# Altium PCB TCM.PcbDoc (part 7 of 10) (continued)
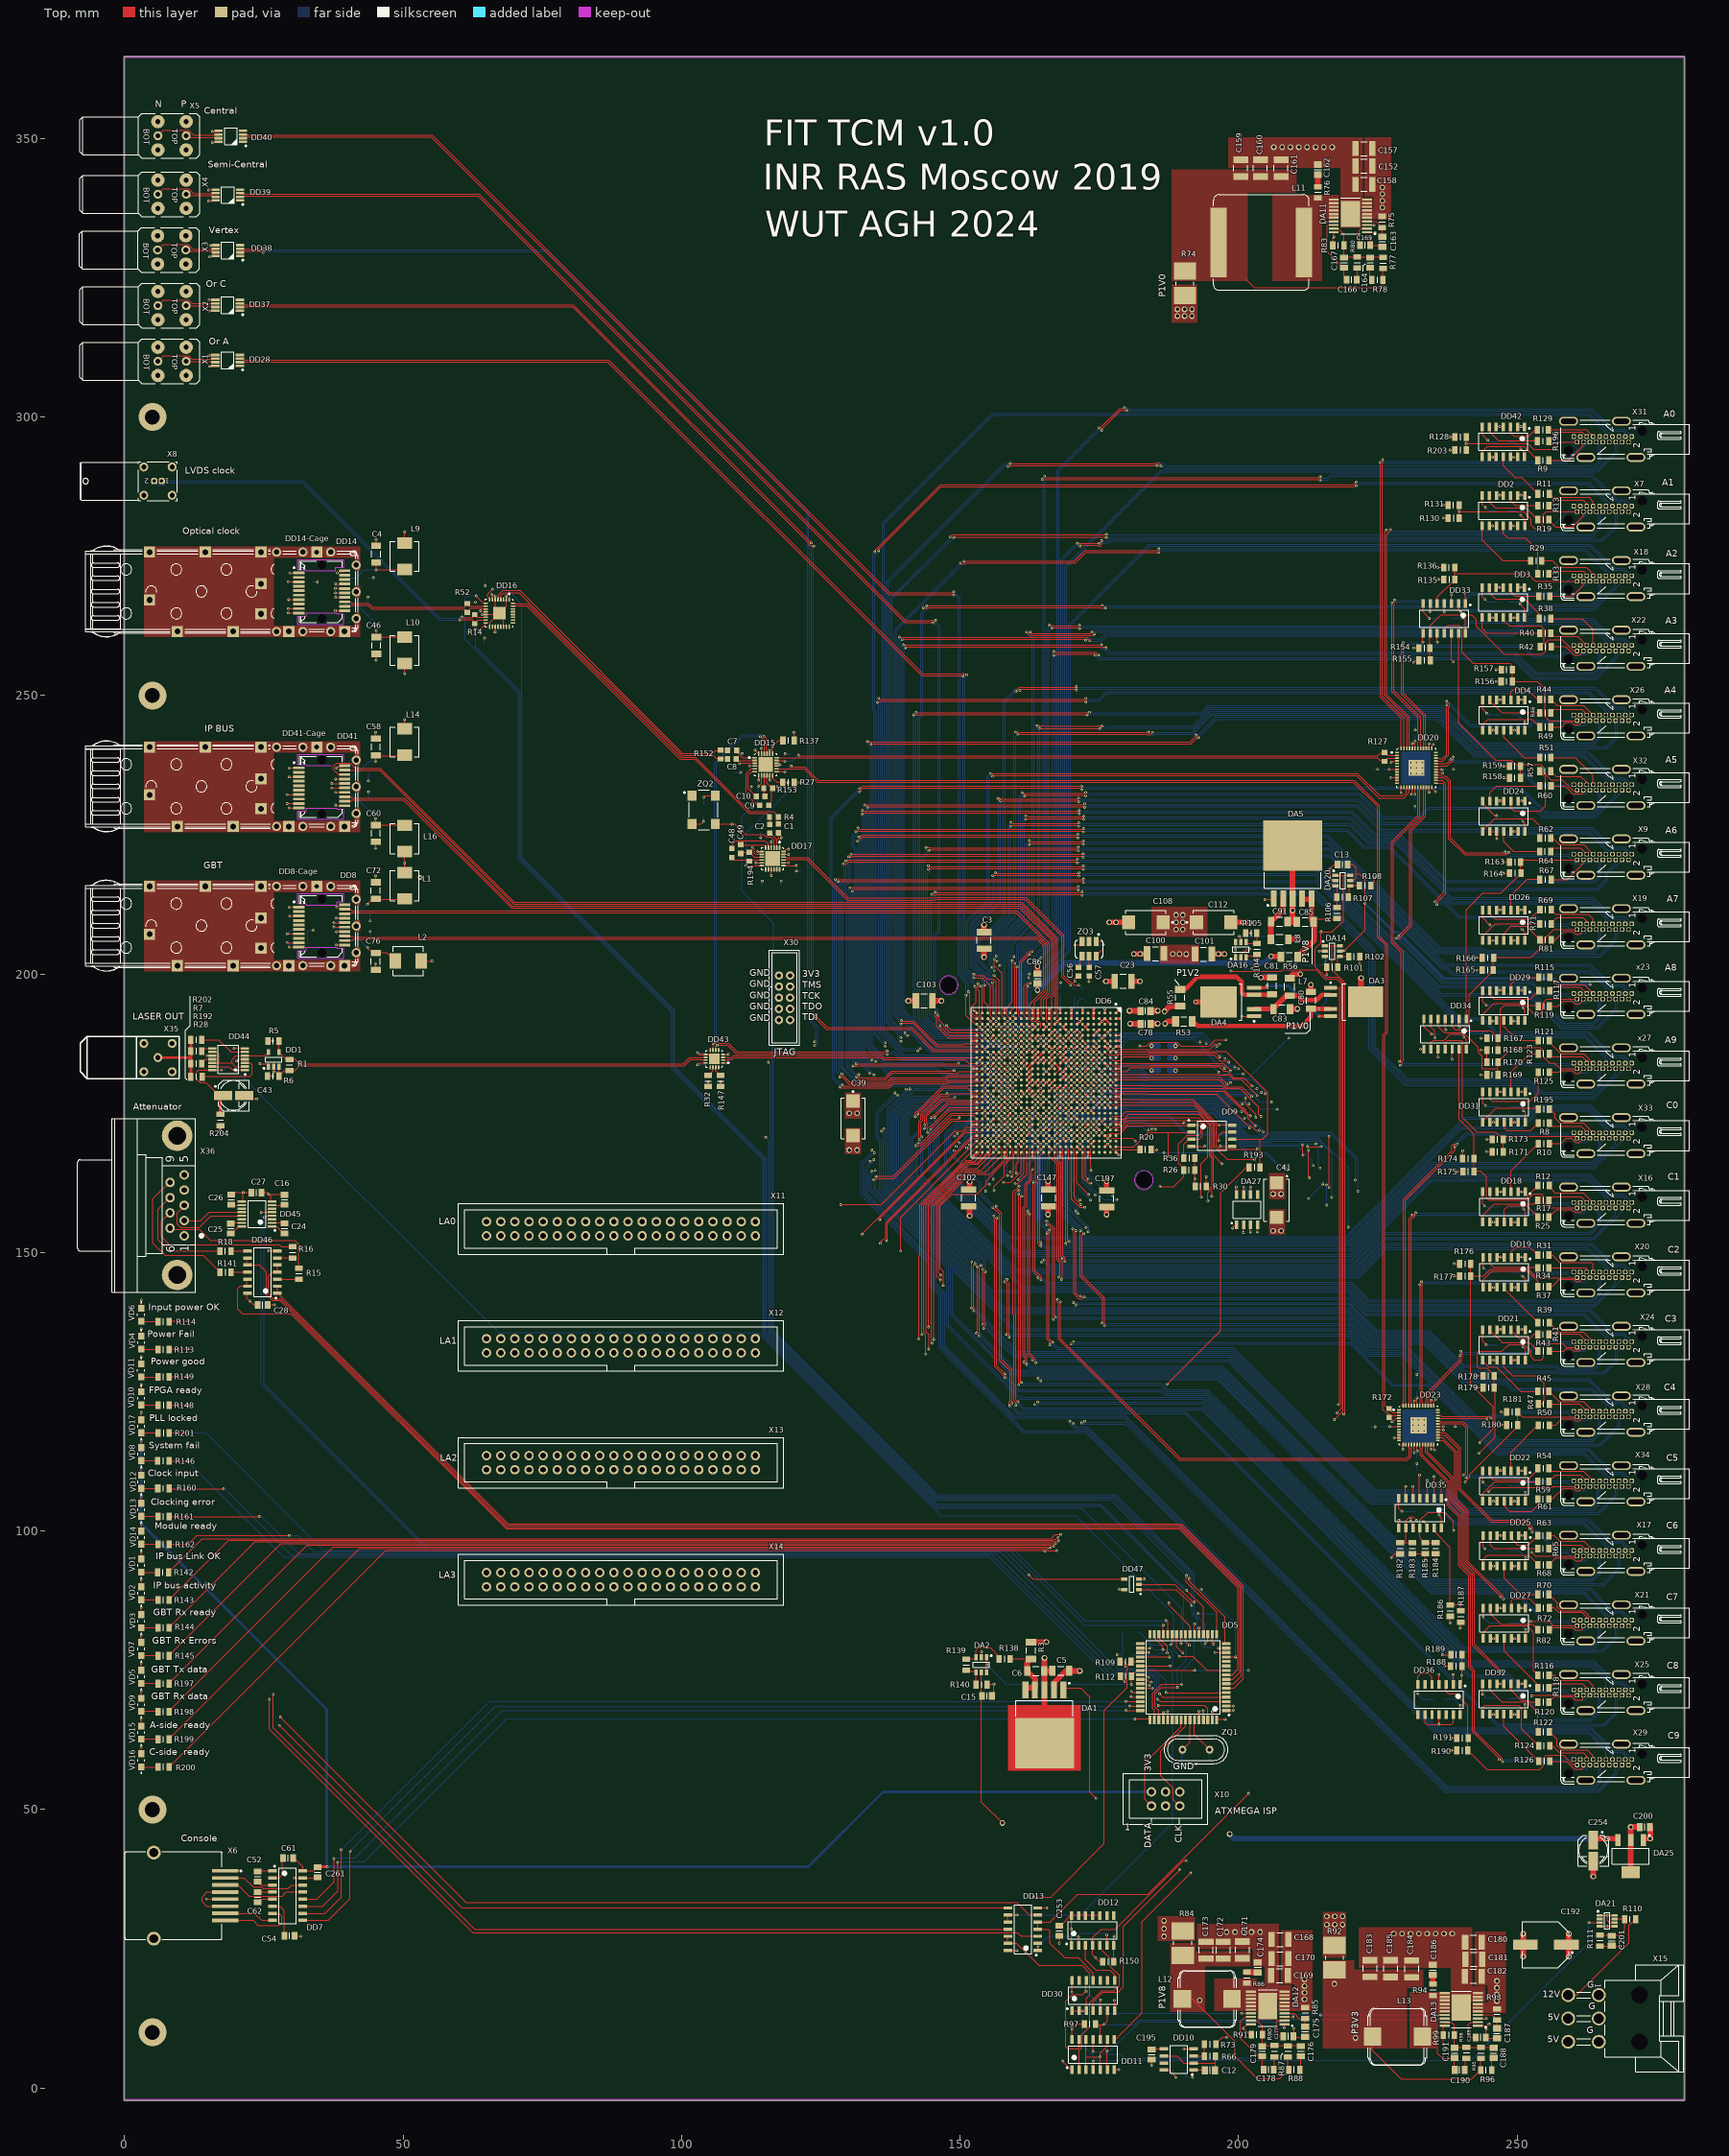
[diagram p0: Top view]
## Nets (pads, with @x,y where several pads share a name; then routed paths per layer and width w, separated by ;. In a path a pad name is that pad's centre, name@x,y a point inside that pad or via, vN(x,y) a via of type N, cw(c..) or ccw(c..) an arc to the next point about the centre after c; other vN are vias at no path point) (continued)
  Top w0.15: R144.1@8,82.65 23.4,98.05 166.83,98.05 166.995,98.215 167.672,98.215 v1(167.689,98.197)
  L3 w0.1: 172.605,165.5 172.605,167.364 172.895,167.654 172.895,170.664 ; 172.895,170.664 172.895,171.895 v1(173.5,172.5)
  L3 w0.15: v1(167.689,98.197) 167.989,98.197 183.437,113.645 183.437,153.517 172.605,164.349 172.605,165.5
LED3: DD6.F23 R145.1 | length 255.9
  Top w0.1: DD6.F23@173,171 v1(173.5,171.5)
  Top w0.15: R145.1@8,77.65 28.1,97.75 v1(167.187,97.75)
  L3 w0.15: v1(167.187,97.75) 167.205,97.732 167.949,97.732 183.737,113.521 183.737,153.864 178.122,159.478 v1@178.122,159.488
  Bot w0.1: 172.278,165.5 172.278,169.556 172.92,170.198 172.92,170.92 v1(173.5,171.5)
  Bot w0.15: 172.278,165.5 172.278,162.98 175.746,159.511 v1(178.146,159.511)
LED4: DD6.F24 R197.1 | length 256.8
  Top w0.1: DD6.F24@173,170 v1(173.5,170.5)
  Top w0.15: R197.1@8,72.65 32.8,97.45 166.253,97.45 166.438,97.265 v1(166.762,97.265)
  L3 w0.15: v1(166.762,97.265) 167.905,97.265 184.037,113.396 184.037,154.278 178.204,160.11 177.508,160.11 v1(177.43,160.188)
  Bot w0.1: 172.664,165.5 172.664,166.669 172.546,166.786 172.546,169.281 173.5,170.234 v1(173.5,170.5)
  Bot w0.15: 172.664,165.5 172.664,164.258 176.733,160.188 v1(177.43,160.188)
LED5: DD6.F25 R198.1 | length 257.2
  Top w0.1: DD6.F25@173,169 173.5,168.5 173.5,165.5
  Top w0.15: R198.1@8,67.65 37.5,97.15 165.542,97.15 165.724,96.968 v1(166.077,96.968) ; v1(173.5,164.7) 173.5,165.5
  L3 w0.15: v1(166.077,96.968) 166.245,96.8 167.009,96.8 167.168,96.958 168.023,96.958 184.565,113.5 184.565,155.51 175.375,164.7 v1(173.5,164.7)
LED_CLK_ERR: DD5.4 R161.1 | length 204.8
  Top w0.15: R161.1@8,102.65 8.05,102.6 v1(24.2,102.6) ; v1(185.8,70.8) 186.418,70.182 DD5.4@197.586,70.182
  Bot w0.15: v1(24.2,102.6) 24.6,102.6 31.25,95.95 156.45,95.95 177.5,74.9 184.7,74.9 185.8,73.8 v1(185.8,70.8)
LED_CLK_IN: DD5.3 R160.1 | length 207.7
  Top w0.15: R160.1@7.977,107.65 8.027,107.6 v1(17.8,107.6) ; R160.1@7.992,107.85 R160.1@8.042,107.8 ; v1(185.5,69.8) 185.918,69.382 DD5.3@197.586,69.382
  Bot w0.15: v1(17.8,107.6) 18,107.6 29.95,95.65 155.75,95.65 176.8,74.6 184.335,74.6 185.335,73.6 185.335,69.965 v1(185.5,69.8)
LED_Module_ready: DD5.5 R162.1 | length 203.2
  Top w0.15: R162.1@8,97.65 11.45,97.65 13,99.2 v1(29.6,99.2) ; v1(187,70.982) DD5.5@197.586,70.982
  Bot w0.15: v1(29.6,99.2) 31.1,99.2 34.05,96.25 157.25,96.25 178.254,75.246 184.954,75.246 187,73.2 v1(187,70.982)
LED_SYS_FAIL: DD5.62 R146.1 | length 209.3
  Top w0.15: R146.1@7.977,112.65 8.027,112.6 v1(11.3,112.6) ; R146.1@7.992,112.85 R146.1@8.042,112.9 ; v1(185.6,68.7) 193.9,68.7 194.486,68.114 DD5.62@194.486,66.282
  Bot w0.15: v1(11.3,112.6) 28.6,95.3 155.3,95.3 176.4,74.2 184.311,74.2 185.035,73.476 185.035,69.265 v1(185.6,68.7)
LED_VD15: DD6.E21 R199.1 | length 263.7
  Top w0.1: v1(173.5,173.5) DD6.E21@174,173
  Top w0.15: R199.1@8,62.65 42.2,96.85 165.418,96.85 165.775,96.493 v1(167.36,96.493)
  L3 w0.1: v1(173.5,173.5) 173.895,173.104 173.895,171.336 ; 173.895,171.336 173.895,170.6 173.895,166.481 174.876,165.5
  L3 w0.15: v1(167.36,96.493) 167.982,96.493 184.865,113.376 184.865,155.564 174.929,165.5 174.876,165.5
LED_VD16: DD6.E22 R200.1 | length 264
  Top w0.1: DD6.E22@174,172 v1(174.5,171.5)
  Top w0.15: R200.1@8,57.65 46.9,96.55 165.061,96.55 v1(165.236,96.375)
  L3 w0.1: v1(174.5,171.5) 174.5,168.7 176.925,166.275 176.925,165.5
  L3 w0.15: v1(165.236,96.375) 165.456,96.155 166.841,96.155 166.968,96.028 167.942,96.028 185.165,113.252 185.165,155.635 176.925,163.875 176.925,165.5
MCU_ATT_A: DD5.6 DD46.1 DD46.2 | length 217
  Top w0.15: DD46.2@27.5,143.96 27.5,142.69 68.89,101.3 189.7,101.3 200.825,90.175 200.825,73.425 199.182,71.782 DD5.6@197.586,71.782
MCU_ATT_B: DD5.7 DD46.4 DD46.5 | length 222.5
  Top w0.15: DD46.5@27.5,147.77 27.5,146.5 26.5,146.5 25.8,145.8 25.8,142.6 26.7,141.7 28.066,141.7 68.766,101 189.576,101 200.525,90.05 200.525,73.976 199.132,72.582 DD5.7@197.586,72.582
MCU_ATT_C: DD5.8 DD46.9 DD46.10 | length 224.3
  Top w0.15: DD46.9@22,149.04 22,147.77 24.23,147.77 25.5,146.5 25.5,142.4 26.5,141.4 27.941,141.4 68.641,100.7 189.451,100.7 200.225,89.926 200.225,74.625 198.982,73.382 DD5.8@197.586,73.382
MCU_ATT_D: DD5.9 DD46.12 DD46.13 | length 224.5
  Top w0.15: DD46.12@22,145.23 22,143.96 20.76,143.96 20.3,143.5 20.3,139.9 21.2,139 29.917,139 68.517,100.4 189.327,100.4 199.925,89.802 199.925,75.243 198.865,74.182 DD5.9@197.586,74.182
MCU_Att_Rx: DD5.28 DD45.4 | length 213.5
  Top w0.15: v1(25.1,156.3) 25.4,156.6 DD45.4@26.3,156.6 ; v1(187,83.9) 187.286,83.614 DD5.28@187.286,81.282
  Bot w0.15: v1(25.1,156.3) 25.1,126.3 54.25,97.15 159.15,97.15 172.4,83.9 v1(187,83.9)
MCU_Att_Tx: DD5.29 DD45.5 | length 214.3
  Top w0.15: v1(24.535,157.235) DD45.5@26.3,157.235 ; DD5.29@186.486,81.282 186.486,83.086 v1(186.5,83.1)
  Bot w0.15: v1(24.535,157.235) 24.535,126.365 54.05,96.85 158.55,96.85 172.3,83.1 v1(186.5,83.1)
MCU_Console_CTS: DD5.47 DD7.9 | length 171.5
  Top w0.15: DD7.9@32.026,30.106 36.6,30.106 40.5,34.006 v1(40.5,42.5) ; v1(180.5,68.582) DD5.47@182.586,68.582
  Bot w0.15: v1(40.5,42.5) 66.582,68.582 v1(180.5,68.582)
MCU_Console_RTS: DD5.46 DD7.10 | length 171.3
  Top w0.15: DD7.10@32.026,31.376 36,31.376 38.9,34.276 v1(38.9,42.8) ; v1(179.8,69.4) 179.818,69.382 DD5.46@182.586,69.382
  Bot w0.15: v1(38.9,42.8) 65.5,69.4 v1(179.8,69.4)
MCU_Console_Rx: DD5.48 DD7.12 | length 167.3
  Top w0.15: DD7.12@32.026,33.916 34.506,33.916 37.6,37.01 v1(37.6,41.2) ; v1(179.8,67.8) 179.818,67.782 DD5.48@182.586,67.782
  Bot w0.15: v1(37.6,41.2) 37.5,41.3 41.3,41.3 67.8,67.8 81.9,67.8 v1(179.8,67.8)
MCU_Console_Tx: DD5.49 DD7.11 | length 169
  Top w0.15: DD7.11@32.026,32.646 35.546,32.646 38.3,35.4 v1(38.3,40.5) ; v1(181.4,66.282) DD5.49@184.086,66.282
  Bot w0.15: v1(38.3,40.5) 38.3,40.6 43,40.6 68.682,66.282 v1(181.4,66.282)
MCU_CS: DD5.26 DD6.B20 | length 120.8
  Top w0.1: DD6.B20@177,174 177.5,174.5 179,174.5 179.864,175.364 180.5,175.364
  Top w0.15: 180.5,175.364 192.699,175.364 195.11,172.953 195.11,167.437 195.525,167.022 195.525,161.751 195.225,161.451 v1(195.225,160.1) ; DD5.26@188.886,81.282 188.886,79.214 v1(190,78.1)
  L3 w0.15: v1(190,78.1) 190,78.993 190.972,79.965 191.329,79.965 195.225,83.86 v1(195.225,160.1)
MCU_IRQ: DD5.36 DD6.A20 | length 122.2
  Top w0.1: DD6.A20@178,174 179.449,174 180.249,174.8 180.5,174.8
  Top w0.15: 180.5,174.8 192.839,174.8 194.81,172.829 194.81,167.312 195.225,166.898 195.225,161.876 194.925,161.576 194.925,161.125 194.5,160.7 v1(194.5,159.3) ; DD5.36@182.586,77.382 187.582,77.382 v1(187.6,77.4)
  L3 w0.15: v1(187.6,77.4) 187.983,77.4 190.848,80.265 191.205,80.265 194.5,83.56 v1(194.5,159.3)
MCU_MISO: DD5.22 DD6.D21 | length 106.6
  Top w0.1: v1(174.5,173.5) DD6.D21@175,173
  Top w0.15: DD5.22@192.086,81.282 v1(192.086,83.3)
  L3 w0.1: v1(174.5,173.5) 174.904,173.904 180.5,173.904
  L3 w0.15: 180.5,173.904 184.496,173.904 189.398,169.002 189.398,85.988 v1(192.086,83.3)
MCU_MOSI: DD5.21 DD6.C21 | length 105.1
  Top w0.1: DD6.C21@176,173 v1(176.5,172.5)
  Top w0.15: DD5.21@192.886,81.282 v1@192.886,82.6
  L3 w0.1: v1(176.5,172.5) 180.5,172.5
  L3 w0.15: 180.5,172.5 183.2,172.5 183.364,172.664 185.312,172.664 189.098,168.877 189.098,84.702 191.2,82.6 v1(192.883,82.6)
MCU_SCK: DD5.23 DD6.D23 | length 102.7
  Top w0.1: DD6.D23@175,171 v1(175.5,171.5)
  Top w0.15: v1(187.5,87.1) 187.5,86.7 191.286,82.914 DD5.23@191.286,81.282
  L3 w0.1: v1(175.5,171.5) 180.5,171.5
  L3 w0.15: 180.5,171.5 183.871,171.5 187.865,167.505 187.865,87.465 v1(187.5,87.1)
MCU_SCL: DD5.17 DD15.12 DD17.12 R27.1 | length 216.1
  Top w0.15: v1(111.577,219.477) DD17.12@114.407,219.477 ; DD15.12@116.357,235.65 116.357,235.15 117.114,234.393 118.207,234.393 119.097,234.393 v1(119.104,234.4) ; v1(190.7,92) 190.635,91.935 190.635,90.865 196.086,85.414 DD5.17@196.086,81.282
  L3 w0.15: v1(111.577,219.477) 111.577,174.223 v1(115.1,170.7)
  Bot w0.15: v1(111.577,219.477) 111.577,225.277 119.104,232.804 v1(119.104,234.4) ; v1(115.1,170.7) 115.664,170.136 115.664,135.563 145.627,105.6 177.1,105.6 v1(190.7,92)
MCU_SDA: DD5.16 DD15.19 DD17.19 R137.1 | length 223.4
  Top w0.15: DD15.19@116.357,239.55 v1(116.357,240.912) 117.397,241.952 R137.1@118.207,241.952 ; DD17.19@118.307,219.477 v1(120.577,219.477) ; v1(191.1,91.5) 191.1,91.042 197.586,84.556 DD5.16@197.586,79.782
  L3 w0.15: v1(115.6,184.2) 115.6,200 119.6,204 119.6,218.5 v1(120.577,219.477) 120.577,222.459 116.357,226.679 v1(116.357,240.912)
  Bot w0.15: v1(115.6,184.2) 115.964,183.836 115.964,135.687 145.751,105.9 177.458,105.9 191.165,92.193 191.165,91.565 v1(191.1,91.5)
MGTCLK_N: C70.1 DD17.22 | length 68
  Top w0.2: DD17.22@118.307,220.977 118.807,220.977 118.882,220.902 122.633,220.902 129.9,213.635 145.321,213.635 145.435,213.75 161.844,213.75 168.65,206.944 168.65,199.685 169.845,198.49 170.043,198.49 170.533,198 v1(171.3,198)
  Bot w0.2: v1(171.3,198) 171.354,197.946 171.479,197.946 172.1,197.325 C70.1@172.125,197.325
MGTCLK_P: C69.1 DD17.21 | length 66.2
  Top w0.2: DD17.21@118.307,220.477 118.807,220.477 118.882,220.552 122.488,220.552 129.755,213.285 145.466,213.285 145.58,213.4 161.699,213.4 168.3,206.799 168.3,199.54 v1(169.84,198)
  Bot w0.2: v1(169.84,198) 169.84,197.96 170.475,197.325 C69.1@170.5,197.325
NetC1_2: C1.2 DD17.1 | length 2.8
  Top w0.15: C1.2@117.4,225.35 117.4,224.3 117.607,224.093 DD17.1@117.607,222.677
NetC2_2: C2.2 DD17.2 | length 3.3
  Top w0.15: C2.2@115.8,225.4 117.107,224.093 DD17.2@117.107,222.677
NetC4_2: C4.2 C44.2 DD14.16 L9.2 | length 16.8
  Top w0.15: v1(37.866,269.236) 37.883,269.22 DD14.16@39.5,269.22 ; C4.2@45.4,273.8 45.174,273.574 v1(45.174,272.561) L9.2@50.287,272.561
  Bot w0.15: v1(37.866,269.236) 39.777,271.147 41.586,271.147 41.645,271.147 43.06,272.561 v1(45.174,272.561)
NetC7_2: C7.2 DD15.1 | length 4.1
  Top w0.15: C7.2@109.756,240.2 109.756,240.035 110.941,238.85 DD15.1@113.157,238.85
NetC8_2: C8.2 DD15.2 | length 3.7
  Top w0.15: C8.2@109.752,238.609 109.752,238.35 DD15.2@113.157,238.35
NetC9_1: C9.1 DD15.5 | length 9
  Top w0.15: DD15.5@113.157,236.85 112.494,236.85 111.596,235.952 111.596,232.304 113.441,230.459 114,230.459 C9.1@114.169,230.29
NetC9_2: C9.2 DD15.10 R153.1 | length 6
  Top w0.2: DD15.10@115.357,235.65 115.357,234.249 116.209,233.396 116.209,230.98 C9.2@115.519,230.29
NetC10_1: C10.1 DD15.6 | length 6
  Top w0.15: DD15.6@113.157,236.35 112.644,236.35 111.98,235.686 111.98,233.319 C10.1@113.496,231.803
NetC10_2: C10.2 DD15.9 R153.2 | length 3.9
  Top w0.2: C10.2@114.846,231.803 114.86,231.816 114.86,233.396 114.857,233.399 DD15.9@114.857,235.65
NetC12_2: C12.2 DD10.2 DD10.6 R66.1 | length 12.1
  Top w0.15: DD10.6@186.774,5.759 188.924,5.759 189.13,5.552
  Top w0.2: 189.13,5.552 190.194,4.489 191.774,4.489 195.834,4.489 195.874,4.529 ; C12.2@195.874,3.229 195.874,4.529 ; R66.1@195.874,5.729 195.874,4.529
NetC16_1: C16.1 DD45.7 | length 2.4
  Top w0.15: DD45.7@26.3,158.505 28.665,158.505 C16.1@28.7,158.47
NetC24_1: C24.1 DD45.2 | length 2.4
  Top w0.15: DD45.2@26.3,155.33 C24.1@28.7,155.33
NetC24_2: C24.2 DD45.1 | length 3
  Top w0.15: DD45.1@26.3,154.695 27.335,154.695 C24.2@28.7,153.33
NetC25_1: C25.1 DD45.16 | length 2.8
  Top w0.15: C25.1@19.1,153.3 20.495,154.695 DD45.16@21.3,154.695
NetC25_2: C25.2 DD45.15 | length 2.2
  Top w0.15: C25.2@19.1,155.3 19.13,155.33 DD45.15@21.3,155.33
NetC26_2: C26.2 DD45.10 | length 2.2
  Top w0.15: C26.2@19.1,158.505 DD45.10@21.3,158.505
NetC30_2: C30.2 C36.2 DD16.7 DD16.12 DD16.18 DD16.19 L5.2 | length 3.9
  Top w0.15: v1(63.911,265.223) 64.084,265.05 DD16.12@65.01,265.05 ; v1(65.91,268.167) 66.05,268.028 DD16.7@66.05,267.09 ; DD16.18@66.05,262.51 66.55,262.51 66.55,261.41 v1(66.541,261.4)
NetC42_1: C42.1 C43.1 DD44.14 R204.2 | length 16.7
  Top w0.15: C43.1@17.287,177.812 14.6,180.5 13.575,180.5 13.393,180.682 13.363,180.682 13.26,180.785 13.26,180.815 12.9,181.175 12.9,182.4 13.25,182.75 15.9,182.75 v1(17.4,182.75)
  Top w0.5: R204.2@17.218,174.802 17.218,175.082 17.2,175.1 17.2,177.725 C43.1@17.7,178.225
  Bot w0.15: v1(17.4,182.75) 17.75,182.75 C42.1@18.5,183.5
NetC46_2: C46.2 C47.2 DD14.15 L10.2 | length 18.7
  Top w0.15: v1(37.848,268.416) 39.496,268.416 DD14.15@39.5,268.42 ; v1(45.194,261.698) 45.197,261.696 45.197,260.592 45.219,260.57 L10.2@50.293,260.57
  Bot w0.15: v1(37.848,268.416) 39.96,266.304 41.655,266.304 41.756,266.304 45.194,262.866 v1(45.194,261.698)
NetC48_1: C48.1 DD17.5 | length 8.5
  Top w0.15: C48.1@109,222.4 109,223.1 109.8,223.9 115,223.9 115.6,223.3 115.6,222.684 DD17.5@115.607,222.677
NetC48_2: C48.2 DD17.10 R194.1 | length 5.6
  Top w0.2: C48.2@109,221.05 109.573,220.477 112.2,220.477 DD17.10@114.407,220.477
NetC49_1: C49.1 DD17.6 | length 5
  Top w0.15: C49.1@110.6,223.177 115.023,223.177 115.107,223.093 DD17.6@115.107,222.677
NetC49_2: C49.2 DD17.9 R194.2 | length 4.2
  Top w0.2: C49.2@110.6,221.827 112.2,221.827 113.05,220.977 DD17.9@114.407,220.977
NetC50_2: C50.2 DD5.58 ZQ1.1 | length 9
  Top w0.15: ZQ1.1@189.932,60.755 191.286,62.109 DD5.58@191.286,66.282
  Bot w0.15: C50.2@189.063,58.208 189.932,59.076 ZQ1.1@189.932,60.755
NetC52_1: C52.1 DD7.1 | length 2.7
  Top w0.15: C52.1@23.876,38.996 DD7.1@26.526,38.996
NetC52_2: C52.2 DD7.3 | length 2.9
  Top w0.15: C52.2@23.876,36.996 24.416,36.456 DD7.3@26.526,36.456
NetC54_2: C54.2 DD7.6 | length 7.1
  Top w0.15: DD7.6@26.526,32.646 27.895,32.646 28.668,31.873 C54.2@28.668,27.263
NetC56_1: C56.1 ZQ3.4 | length 2.1
  Top w0.2: C56.1@171.237,201.379 171.587,201.729 171.587,202.904 ZQ3.4@171.899,203.216
NetC57_1: C57.1 ZQ3.5 | length 1.7
  Top w0.2: C57.1@173.17,201.1 ZQ3.5@173.17,202.786
NetC58_2: C58.2 C59.2 DD41.16 L14.2 | length 18.1
  Top w0.15: v1(37.2,234.2) 37.22,234.22 DD41.16@39.5,234.22 ; v1(45.1,238.2) 45.1,239.2 L14.2@50.3,239.2
  Bot w0.15: v1(37.2,234.2) 39.5,234.2 41.3,236 41.8,236 44,238.2 v1(45.1,238.2)
NetC60_2: C60.2 C63.2 DD41.15 L16.2 | length 18.9
  Top w0.15: v1(37.2,233.4) 37.22,233.42 DD41.15@39.5,233.42 ; v1(45.1,227.9) 45.1,226.8 L16.2@50.3,226.8
  Bot w0.15: v1(37.2,233.4) 39.502,233.4 41.602,231.3 41.8,231.3 41.9,231.3 45.1,228.1 v1(45.1,227.9)
NetC61_2: C61.2 DD7.2 | length 5.2
  Top w0.15: DD7.2@26.526,37.726 27.776,37.726 28.337,38.287 C61.2@28.337,41.394
NetC62_1: C62.1 DD7.4 | length 2.7
  Top w0.15: C62.1@23.876,35.186 DD7.4@26.526,35.186
NetC62_2: C62.2 DD7.5 | length 3
  Top w0.15: C62.2@23.876,33.186 24.606,33.916 DD7.5@26.526,33.916
NetC65_2: C65.2 DD5.59 ZQ1.2 | length 9.6
  Top w0.15: DD5.59@192.086,66.282 192.086,63.48 ZQ1.2@194.812,60.755
  Bot w0.15: ZQ1.2@194.812,60.755 194.812,59.06 C65.2@195.663,58.208
NetC69_2: C69.2 DD6.H6 | length 8.3
  Top w0.15: v1(170.5,188.5) DD6.H6@171,188
  Bot w0.1: v1(170.5,188.5) 170.5,188.941 170.105,189.336 170.105,189.895 170.5,190.29 C69.2@170.5,195.5
  Bot w0.15: C69.2@170.5,195.5 C69.2@170.5,195.725
NetC70_2: C70.2 DD6.H5 | length 7.8
  Top w0.15: DD6.H5@171.1,189 DD6.H5@171,189 v1@171.5,189.5
  Bot w0.1: v1(171.5,189.5) 171.105,189.895 171.105,195.01 171.594,195.5
  Bot w0.15: 171.594,195.5 171.9,195.5 C70.2@172.125,195.725
NetC72_2: C72.2 C73.2 DD8.16 L1.2 | length 16.3
  Top w0.2: v1(37.6,209.25) 37.63,209.22 DD8.16@39.5,209.22 ; v1(43.6,212.55) 44.47,213.42 45.1,213.42 L1.2@50.3,213.42
  Bot w0.2: v1(37.6,209.25) 38.3,209.25 40.1,211.05 42.1,211.05 v1(43.6,212.55)
NetC76_2: C76.2 C77.2 DD8.15 L2.2 | length 15.3
  Top w0.2: v1(37.6,208.45) 37.63,208.42 DD8.15@39.5,208.42 ; v1(43.6,204.75) 44.5,203.85 45.1,203.85 47,203.85 L2.2@48.5,202.35
  Bot w0.2: v1(37.6,208.45) 38.1,208.45 40.3,206.25 42.1,206.25 v1(43.6,204.75)
NetC91_2: C91.2 DA5.2 L8.2 | length 8
  Top w1: L8.2@205.807,206.348 205.807,209.289 205.785,209.311 207.985,211.511 DA5.2@207.985,213.411
NetC159_2: C159.2 C160.2 C161.2 L11.2 R74.1 R77.1 R78.2 | length 28.5
  Top w0.2: 201.269,324.783 202.819,323.233 225.519,323.233 225.919,323.633 225.919,324.633 R77.1@225.92,326.633
NetC162_2: C162.2 R76.1 | length 1.9
  Top w1: R76.1@214.219,341.333 C162.2@214.219,343.233
NetC163_2: C163.2 DA11.4 R75.1 | length 4.8
  Top w0.2: DA11.4@223.059,335.133 224.719,335.133 225.819,334.033 C163.2@225.819,332.433
NetC164_1: C164.1 R78.1 | length 2.2
  Top w0.2: C164.1@223.619,326.733 223.619,324.933 R78.1@223.919,324.633
NetC164_2: C164.2 C167.2 DA11.19 R77.2 R80.2 R83.2 | length 13.4
  Top w0.15: C167.2@218.919,328.733 R83.2@218.919,330.833
  Top w0.2: DA11.19@217.119,333.833 217.919,333.833 218.919,332.833 R83.2@218.919,330.833 ; C167.2@218.919,328.733 221.319,328.733 223.619,328.733 225.92,328.733 R77.2@225.92,328.633
NetC165_2: C165.2 DA11.2 | length 4.2
  Top w0.2: C165.2@221.719,330.833 221.719,333.533 222.019,333.833 DA11.2@223.059,333.833
NetC166_1: C166.1 C167.1 DA11.18 | length 12.3
  Top w0.2: DA11.18@217.119,334.483 216.169,334.483 215.919,334.233 215.919,329.733 218.919,326.733 218.919,325.033 C166.1@219.319,324.633
NetC166_2: C166.2 R80.1 | length 2.1
  Top w0.2: C166.2@221.319,324.633 R80.1@221.319,326.733
NetC174_2: C174.2 R86.1 | length 2.3
  Top w1: R86.1@201.353,20.814 C174.2@203.653,20.814
NetC175_2: C175.2 DA12.4 R85.1 | length 5.5
  Top w0.2: DA12.4@208.213,13.414 209.946,13.414 210.846,12.514 211.953,12.514 C175.2@211.953,11.114
NetC176_1: C176.1 R88.1 | length 2.4
  Top w0.15: R88.1@211,3.3 211.153,3.453 C176.1@211.153,5.614
NetC176_2: C176.2 C179.2 DA12.19 R87.2 R90.2 R91.2 | length 12.8
  Top w0.2: DA12.19@202.273,12.114 203.253,12.114 204.273,11.094 204.273,9.614 204.273,7.614 206.453,7.614 208.853,7.614 C176.2@211.153,7.614
NetC177_2: C177.2 DA12.2 | length 5
  Top w0.2: C177.2@207.953,9.314 207.334,9.314 206.753,9.895 206.753,11.914 206.953,12.114 DA12.2@208.213,12.114
NetC178_1: C178.1 R90.1 | length 2.3
  Top w0.15: C178.1@206.4,3.3 206.453,3.353 R90.1@206.453,5.614
NetC178_2: C178.2 C179.1 DA12.18 | length 12.9
  Top w0.15: C179.1@204.273,5.614 204.273,3.427 C178.2@204.4,3.3
  Top w0.2: DA12.18@202.273,12.764 201.159,12.764 200.363,11.968 200.363,8.904 203.653,5.614 C179.1@204.273,5.614
NetC186_2: C186.2 R94.1 | length 1.5
  Top w1: R94.1@234.874,18.627 C186.2@234.874,20.127
NetC187_2: C187.2 DA13.4 R93.1 | length 5.2
  Top w0.2: DA13.4@242.974,13.127 245.474,13.127 246.374,12.227 C187.2@246.374,10.827
NetC188_1: C188.1 R96.1 | length 2.2
  Top w0.2: R96.1@245.474,3.227 245.474,5.027 C188.1@245.774,5.327
NetC188_2: C188.2 C191.2 DA13.19 R95.2 R98.2 R99.2 | length 12.9
  Top w0.2: DA13.19@237.034,11.827 238.274,11.827 238.774,11.327 238.774,9.527 238.774,7.327 243.474,7.327 C188.2@245.774,7.327
NetC189_2: C189.2 DA13.2 | length 5.2
  Top w0.2: C189.2@242.474,9.128 241.574,9.127 241.254,9.447 241.254,11.407 241.674,11.827 DA13.2@242.974,11.827
NetC190_1: C190.1 R98.1 | length 2.1
  Top w0.2: C190.1@240.714,3.297 240.714,5.167 R98.1@240.874,5.327
NetC190_2: C190.2 C191.1 DA13.18 | length 12.8
  Top w0.2: DA13.18@237.034,12.477 235.924,12.477 235.774,12.327 235.774,6.227 236.674,5.327 238.774,5.327 238.714,5.267 C190.2@238.714,3.297
NetC195_2: C195.2 DD10.5 | length 2.4
  Top w0.15: C195.2@184.4,7 184.429,7.029 DD10.5@186.774,7.029
NetC201_2: C201.2 DA21.7 R110.1 R111.2 | length 8.6
  Top w0.2: R111.2@264.9,27.5 267,27.5 268.4,27.5 269.3,28.4 269.3,30.35 DA21.7@267.4,30.35
NetDA2_3: DA2.3 R138.1 R139.1 | length 8.7
  Top w0.15: R139.1@151.1,76.963 151.25,77.113 152.9,77.113 152.9,78.6 153.4,79.1 155.345,79.1 157,77.445 R138.1@157,77.1
NetDA2_4: DA2.4 R139.2 R140.2 | length 4.9
  Top w0.15: R139.2@151.1,74.963 151.2,74.863 152.9,74.863 R140.2@152.9,71.845
NetDA11_11: DA11.11 DA11.12 DA11.13 DA11.14 DA11.15 DA11.16 L11.1 R76.2
NetDA12_11: DA12.11 DA12.12 DA12.13 DA12.14 DA12.15 DA12.16 L12.1 R86.2
NetDA13_11: DA13.11 DA13.12 DA13.13 DA13.14 DA13.15 DA13.16 L13.1 R94.2
NetDA14_3: DA14.3 R100.1 R101.1 | length 4.5
  Top w0.15: v1(215.848,199.9) R101.1@215.848,201.257
  Top w0.2: DA14.3@215.708,203.157 215.708,201.397 R101.1@215.848,201.257
  Bot w0.15: R100.1@215.8,198.7 215.848,198.748 v1(215.848,199.9)
NetDA14_4: DA14.4 R101.2 R102.2 | length 3.7
  Top w0.2: R101.2@217.848,201.257 217.848,203.047 217.958,203.157 R102.2@219.758,203.157
NetDA16_3: DA16.3 R103.1 R104.1 | length 6.8
  Top w0.15: v1(202.4,201) 203.308,201.908 R104.1@203.308,203.48
  Top w0.2: DA16.3@201.358,203.28 203.108,203.28 R104.1@203.308,203.48
  Bot w0.15: R103.1@200.757,200.362 201.395,201 v1(202.4,201)
NetDA16_4: DA16.4 R104.2 R105.2 | length 3.8
  Top w0.15: R104.2@203.308,205.48 R105.2@203.308,207.349
  Top w0.2: DA16.4@201.358,205.53 201.408,205.48 R104.2@203.308,205.48
NetDA20_3: DA20.3 R106.1 R107.1 | length 4
  Top w0.15: R106.1@217.711,211.93 217.711,213.769 R107.1@217.722,213.779
  Top w0.2: DA20.3@217.622,215.836 217.722,215.736 R107.1@217.722,213.779
NetDA20_4: DA20.4 R107.2 R108.2 | length 4
  Top w0.2: R107.2@219.722,213.779 219.872,213.929 219.872,215.836 219.914,215.879 R108.2@221.722,215.879
NetDD1_5: DD1.5 DD44.2 DD44.5 DD44.9 DD44.12 | length 16.3
  Top w0.15: DD44.9@15.85,186 16.6,186 17,185.6 17,184.05 ; DD44.12@15.9,184.05 17,184.05 ; DD44.2@21.4,183.4 19.9,183.4 19.25,184.05 ; DD1.5@25.8,185.95 25.2,185.35 21.4,185.35 20,185.35 19.25,184.6 19.25,184.05 ; 17,184.05 19.25,184.05
NetDD2_3: DD2.3 R13.2 | length 6.3
  Top w0.15: DD2.3@248.829,285.969 248.829,284.971 249.694,284.106 R13.2@253.752,284.106
NetDD2_6: DD2.6 R19.2 | length 11.3
  Top w0.15: DD2.6@245.019,285.969 245.019,284.764 246.062,283.722 251.572,283.722 R19.2@253.739,281.556
NetDD2_8: DD2.8 R29.2 | length 12.8
  Top w0.15: DD2.8@243.749,280.469 243.749,277.932 247.447,274.234 R29.2@252.462,274.234
NetDD2_11: DD2.11 R33.2 | length 13
  Top w0.15: DD2.11@247.559,280.469 247.559,279.063 248.362,278.26 251.512,278.26 253.737,276.035 R33.2@253.737,271.883
NetDD3_3: DD3.3 R35.2 | length 6.2
  Top w0.15: DD3.3@248.81,269.471 248.81,268.622 249.59,267.842 R35.2@253.863,267.842
NetDD3_6: DD3.6 R38.2 | length 12.4
  Top w0.15: DD3.6@245,269.471 245,268.468 246.162,267.306 251.347,267.306 254.017,264.636 R38.2@254.017,263.809
NetDD3_8: DD3.8 R40.2 | length 12.6
  Top w0.15: DD3.8@243.73,263.971 243.73,262.052 244.538,261.244 R40.2@254.099,261.244
NetDD3_11: DD3.11 R42.2 | length 11.8
  Top w0.15: DD3.11@247.54,263.971 247.54,263.589 248.646,262.483 254.261,262.483 254.868,261.876 254.868,259.514 R42.2@254.143,258.789
NetDD4_3: DD4.3 R44.2 | length 7.6
  Top w0.15: DD4.3@248.902,249.262 248.902,250.682 249.404,251.184 251.766,251.184 253.642,249.308 R44.2@254.073,249.308
NetDD4_6: DD4.6 R46.2 | length 10.1
  Top w0.15: DD4.6@245.092,249.262 245.092,249.11 247.291,246.912 R46.2@254.108,246.912
NetDD4_8: DD4.8 R49.2 | length 12.3
  Top w0.15: DD4.8@243.822,243.762 243.822,244.79 244.765,245.732 252.727,245.732 R49.2@254.09,244.369
NetDD4_11: DD4.11 R51.2 | length 9.2
  Top w0.15: DD4.11@247.632,243.762 247.632,242.554 251.319,238.867 R51.2@254.08,238.867
NetDD5_43: DD5.43 R193.1 | length 103.2
  Top w0.15: DD5.43@182.586,71.782 v1(184.518,71.782) ; v1(187.2,126.4) 196.77,135.97 196.77,160.7 201.37,165.3 R193.1@201.897,165.3
  L3 w0.15: v1(184.518,71.782) 184.982,71.782 185.9,72.7 185.9,85.7 186.9,86.7 186.9,114.3 187.2,114.6 v1(187.2,126.4)
NetDD6_B25: DD6.B25 R20.1 | length 5.5
  Top w0.15: DD6.B25@177,169 177.5,168.5 R20.1@182.3,168.5
NetDD6_M6: DD6.M6 R24.2 | length 10
  Top w0.15: DD6.M6@167,188 v1(167.5,187.5)
  Bot w0.1: v1(167.5,187.5) 167.895,187.895 167.895,191.664 167.605,191.954 167.605,193.914 168,194.308 168,195.5
  Bot w0.15: 168,195.5 168,196.25 R24.2@168.1,196.35
NetDD8_7: DD8.7 R133.1 | length 4
  Top w0.2: v1(29.25,207.2) 29.27,207.22 DD8.7@31.3,207.22
  Bot w0.2: v1(29.25,207.2) 29.9,207.85 R133.1@30.9,207.85
NetDD8_9: DD8.9 R134.1 | length 3.9
  Top w0.2: v1(29.2,205.65) 29.23,205.62 DD8.9@31.3,205.62
  Bot w0.2: v1(29.2,205.65) 29.4,205.45 R134.1@30.9,205.45
NetDD10_3: DD10.3 R66.2 R73.1 | length 4.2
  Top w0.15: DD10.3@191.774,5.759 193.844,5.759 193.9,5.815 R73.1@193.9,7.9
NetDD14_3: DD14.3 R2.1 | length 4.2
  Top w0.15: v1(29.363,270.422) 29.365,270.42 DD14.3@31.3,270.42
  Bot w0.15: v1(29.363,270.422) 31.628,270.422 R2.1@31.632,270.419
NetDD18_3: DD18.3 R10.2 | length 10.7
  Top w0.15: DD18.3@248.948,160.938 248.948,164.704 R10.2@253.822,169.578
NetDD18_6: DD18.6 R12.2 | length 10.8
  Top w0.15: DD18.6@245.125,160.825 245.125,160.001 245.413,159.713 251.831,159.713 252,159.881 252,160.262 R12.2@253.766,162.028
NetDD18_8: DD18.8 R17.2 | length 12.2
  Top w0.15: DD18.8@243.855,155.438 243.855,156.634 245.917,158.696 253.034,158.696 R17.2@253.738,159.4
NetDD18_11: DD18.11 R25.2 | length 9.4
  Top w0.15: DD18.11@247.678,155.438 247.678,157.691 248.383,158.396 251.722,158.396 R25.2@253.738,156.38
NetDD19_3: DD19.3 R31.2 | length 6.6
  Top w0.15: DD19.3@248.96,149.233 248.96,150.205 249.66,150.905 252.336,150.905 253.663,149.578 R31.2@253.753,149.578
NetDD19_6: DD19.6 R34.2 | length 10.1
  Top w0.15: DD19.6@245.15,149.233 245.15,148.023 245.841,147.332 253.676,147.332 R34.2@253.737,147.271
NetDD19_8: DD19.8 R37.2 | length 13.6
  Top w0.15: DD19.8@243.88,143.733 243.88,145.121 245.455,146.696 251.912,146.696 253.722,144.886 R37.2@253.722,143.882
NetDD19_11: DD19.11 R39.2 | length 8.8
  Top w0.15: DD19.11@247.69,143.733 247.69,143.521 R39.2@253.741,137.47
NetDD21_3: DD21.3 R41.2 | length 5.9
  Top w0.15: DD21.3@248.931,136.196 248.931,136.044 250.374,134.601 252.363,134.601 253.123,135.361 R41.2@253.72,135.361
NetDD21_6: DD21.6 R43.2 | length 10.3
  Top w0.15: DD21.6@245.121,136.196 245.121,136.044 247.337,133.828 252.244,133.828 R43.2@253.768,132.304
NetDD21_8: DD21.8 R45.2 | length 12.3
  Top w0.15: DD21.8@243.851,130.696 243.851,130.544 244.924,129.471 246.309,129.471 250.692,125.088 R45.2@253.761,125.088
NetDD21_11: DD21.11 R47.2 | length 14.1
  Top w0.15: DD21.11@247.661,130.696 247.661,129.466 249.211,127.916 253.446,127.916 254.831,126.531 254.831,123.266 254.394,122.829 R47.2@253.78,122.829
NetDD22_3: DD22.3 R50.2 | length 10.1
  Top w0.15: DD22.3@248.944,110.851 248.944,114.153 R50.2@253.772,118.98
NetDD22_6: DD22.6 R54.2 | length 11
  Top w0.15: DD22.6@245.135,110.851 245.135,109.83 245.766,109.198 251.96,109.198 253.754,110.993 R54.2@253.754,111.314
NetDD22_8: DD22.8 R59.2 | length 12.1
  Top w0.15: DD22.8@243.864,105.351 243.864,106.747 246.006,108.888 R59.2@253.706,108.888
NetDD22_11: DD22.11 R61.2 | length 8.8
  Top w0.15: DD22.11@247.674,105.351 247.674,104.525 248.643,103.557 252.594,103.557 253.706,104.668 R61.2@253.706,105.8
NetDD24_3: DD24.3 R57.2 | length 14.8
  Top w0.15: DD24.3@248.894,231.102 248.894,229.761 249.389,229.265 254.19,229.265 255.107,230.182 255.107,235.402 R57.2@254.08,236.429
NetDD24_6: DD24.6 R60.2 | length 11
  Top w0.15: DD24.6@245.084,231.102 245.084,232.551 246.315,233.782 R60.2@254.094,233.782
NetDD24_8: DD24.8 R62.2 | length 14.1
  Top w0.15: DD24.8@243.814,225.602 243.814,225.754 245.992,227.932 252.752,227.932 254.071,226.613 R62.2@254.071,224.38
NetDD24_11: DD24.11 R64.2 | length 9
  Top w0.15: DD24.11@247.624,225.602 247.624,223.764 249.368,222.021 R64.2@254.054,222.021
NetDD25_3: DD25.3 R63.2 | length 6.5
  Top w0.15: DD25.3@248.976,99.213 248.976,98.649 250.125,97.5 251.993,97.5 R63.2@253.706,99.213
NetDD25_6: DD25.6 R65.2 | length 10.5
  Top w0.15: DD25.6@245.166,99.213 245.166,97.5 245.803,96.863 R65.2@253.706,96.863
NetDD25_8: DD25.8 R68.2 | length 12
  Top w0.15: DD25.8@243.896,93.713 243.896,94.891 244.672,95.668 252.086,95.668 R68.2@253.754,94
NetDD25_11: DD25.11 R70.2 | length 9.4
  Top w0.15: DD25.11@247.706,93.713 247.706,91.554 250.612,88.648 R70.2@253.759,88.648
NetDD26_3: DD26.3 R67.2 | length 9
  Top w0.15: DD26.3@248.886,211.528 248.886,214.08 251.812,217.006 R67.2@254.123,217.006
NetDD26_6: DD26.6 R69.2 | length 10.9
  Top w0.15: DD26.6@245.076,211.545 245.076,211.528 245.076,210.832 246.051,209.857 252.377,209.857 R69.2@254.116,211.596
NetDD26_8: DD26.8 R71.2 | length 12
  Top w0.15: DD26.8@243.764,206.062 243.764,206.712 246.051,209 R71.2@254.123,209
NetDD26_11: DD26.11 R81.2 | length 9.4
  Top w0.15: DD26.11@247.604,205.968 247.604,207.238 248.936,208.57 251.674,208.57 R81.2@254.124,206.12
NetDD27_3: DD27.3 R72.2 | length 6.9
  Top w0.15: DD27.3@248.976,86.2 248.976,87.49 249.286,87.8 252.242,87.8 R72.2@253.789,86.253
NetDD27_6: DD27.6 R82.2 | length 10.8
  Top w0.15: DD27.6@245.166,86.2 245.166,85.203 247.09,83.279 252.808,83.279 R82.2@253.768,82.319
NetDD27_8: DD27.8 R116.2 | length 19.1
  Top w0.15: DD27.8@243.896,80.7 243.896,81.725 245.15,82.979 251.758,82.979 252.937,81.8 252.937,74.961 R116.2@253.765,74.132
NetDD27_11: DD27.11 R118.2 | length 11.3
  Top w0.15: DD27.11@247.706,80.7 247.706,78.478 253.739,72.445 R118.2@253.739,71.919
NetDD29_3: DD29.3 R115.2 | length 6.6
  Top w0.15: DD29.3@248.936,197.076 248.936,198.199 250.16,199.422 R115.2@253.888,199.422